# KiCad board demomatrix.kicad_pcb (continued)
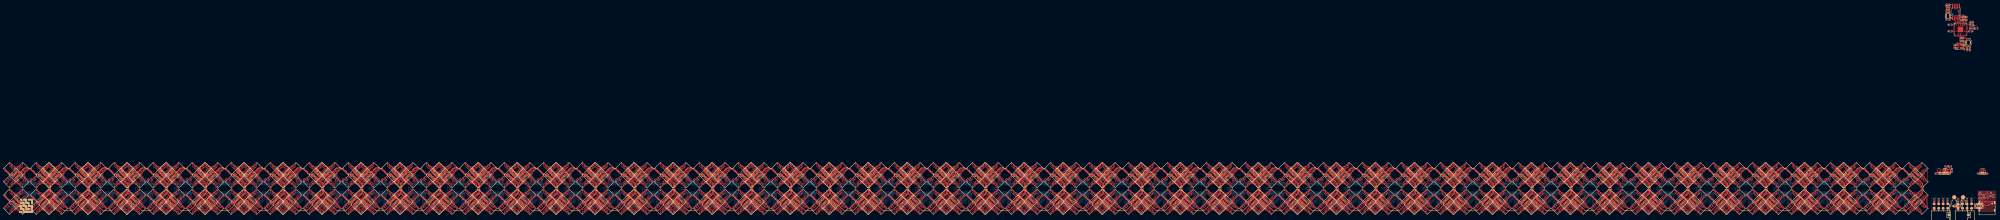
[diagram p0: board, top side]
## Nets (continued)
rgbs[3]-anodes-anode-264: LED395.3 LED396.4
rgbs[3]-anodes-anode-265: LED395.1 LED396.2
rgbs[3]-anodes-anode-266: LED395.5 LED396.6
rgbs[3]-anodes-anode-267: LED395.7 LED396.8
rgbs[3]-anodes-anode-268: LED399.3 LED400.4
rgbs[3]-anodes-anode-269: LED399.1 LED400.2
rgbs[3]-anodes-anode-270: LED399.5 LED400.6
rgbs[3]-anodes-anode-271: LED399.7 LED400.8
rgbs[3]-anodes-anode-272: LED403.3 LED404.4
rgbs[3]-anodes-anode-273: LED403.1 LED404.2
rgbs[3]-anodes-anode-274: LED403.5 LED404.6
rgbs[3]-anodes-anode-275: LED403.7 LED404.8
rgbs[3]-anodes-anode-276: LED407.3 LED408.4
rgbs[3]-anodes-anode-277: LED407.1 LED408.2
rgbs[3]-anodes-anode-278: LED407.5 LED408.6
rgbs[3]-anodes-anode-279: LED407.7 LED408.8
rgbs[3]-anodes-anode-280: LED411.3 LED412.4
rgbs[3]-anodes-anode-281: LED411.1 LED412.2
rgbs[3]-anodes-anode-282: LED411.5 LED412.6
rgbs[3]-anodes-anode-283: LED411.7 LED412.8
rgbs[3]-anodes-anode-284: LED415.3 LED416.4
rgbs[3]-anodes-anode-285: LED415.1 LED416.2
rgbs[3]-anodes-anode-286: LED415.5 LED416.6
rgbs[3]-anodes-anode-287: LED415.7 LED416.8
rgbs[3]-anodes-anode-288: LED419.3 LED420.4
rgbs[3]-anodes-anode-289: LED419.1 LED420.2
rgbs[3]-anodes-anode-290: LED419.5 LED420.6
rgbs[3]-anodes-anode-291: LED419.7 LED420.8
rgbs[3]-anodes-anode-292: LED423.3 LED424.4
rgbs[3]-anodes-anode-293: LED423.1 LED424.2
rgbs[3]-anodes-anode-294: LED423.5 LED424.6
rgbs[3]-anodes-anode-295: LED423.7 LED424.8
rgbs[3]-anodes-anode-296: LED427.3 LED428.4
rgbs[3]-anodes-anode-297: LED427.1 LED428.2
rgbs[3]-anodes-anode-298: LED427.5 LED428.6
rgbs[3]-anodes-anode-299: LED427.7 LED428.8
rgbs[3]-anodes-anode-300: LED431.3 LED432.4
rgbs[3]-anodes-anode-301: LED431.1 LED432.2
rgbs[3]-anodes-anode-302: LED431.5 LED432.6
rgbs[3]-anodes-anode-303: LED431.7 LED432.8
rgbs[3]-anodes-anode-304: LED435.3 LED436.4
rgbs[3]-anodes-anode-305: LED435.1 LED436.2
rgbs[3]-anodes-anode-306: LED435.5 LED436.6
rgbs[3]-anodes-anode-307: LED435.7 LED436.8
rgbs[3]-anodes-anode-308: LED439.3 LED440.4
rgbs[3]-anodes-anode-309: LED439.1 LED440.2
rgbs[3]-anodes-anode-310: LED439.5 LED440.6
rgbs[3]-anodes-anode-311: LED439.7 LED440.8
rgbs[3]-anodes-anode-312: LED443.3 LED444.4
rgbs[3]-anodes-anode-313: LED443.1 LED444.2
rgbs[3]-anodes-anode-314: LED443.5 LED444.6
rgbs[3]-anodes-anode-315: LED443.7 LED444.8
rgbs[3]-anodes-anode-316: LED447.3 LED448.4
rgbs[3]-anodes-anode-317: LED447.1 LED448.2
rgbs[3]-anodes-anode-318: LED447.5 LED448.6
rgbs[3]-anodes-anode-319: LED447.7 LED448.8
rgbs[3]-anodes-anode-320: LED451.3 LED452.4
rgbs[3]-anodes-anode-321: LED451.1 LED452.2
rgbs[3]-anodes-anode-322: LED451.5 LED452.6
rgbs[3]-anodes-anode-323: LED451.7 LED452.8
rgbs[3]-anodes-anode-324: LED455.3 LED456.4
rgbs[3]-anodes-anode-325: LED455.1 LED456.2
rgbs[3]-anodes-anode-326: LED455.5 LED456.6
rgbs[3]-anodes-anode-327: LED455.7 LED456.8
rgbs[3]-anodes-anode-328: LED459.3 LED460.4
rgbs[3]-anodes-anode-329: LED459.1 LED460.2
rgbs[3]-anodes-anode-330: LED459.5 LED460.6
rgbs[3]-anodes-anode-331: LED459.7 LED460.8
rgbs[3]-anodes-anode-332: LED463.3 LED464.4
rgbs[3]-anodes-anode-333: LED463.1 LED464.2
rgbs[3]-anodes-anode-334: LED463.5 LED464.6
rgbs[3]-anodes-anode-335: LED463.7 LED464.8
rgbs[3]-anodes-anode-336: LED467.3 LED468.4
rgbs[3]-anodes-anode-337: LED467.1 LED468.2
rgbs[3]-anodes-anode-338: LED467.5 LED468.6
rgbs[3]-anodes-anode-339: LED467.7 LED468.8
rgbs[3]-anodes-anode-340: LED471.3 LED472.4
rgbs[3]-anodes-anode-341: LED471.1 LED472.2
rgbs[3]-anodes-anode-342: LED471.5 LED472.6
rgbs[3]-anodes-anode-343: LED471.7 LED472.8
rgbs[3]-anodes-anode-344: LED475.3 LED476.4
rgbs[3]-anodes-anode-345: LED475.1 LED476.2
rgbs[3]-anodes-anode-346: LED475.5 LED476.6
rgbs[3]-anodes-anode-347: LED475.7 LED476.8
rgbs[3]-anodes-anode-348: LED479.3 LED480.4
rgbs[3]-anodes-anode-349: LED479.1 LED480.2
rgbs[3]-anodes-anode-350: LED479.5 LED480.6
rgbs[3]-anodes-anode-351: LED479.7 LED480.8
rgbs[3]-anodes-anode-352: LED35.3 LED36.4
rgbs[3]-anodes-anode-353: LED35.1 LED36.2
rgbs[3]-anodes-anode-354: LED35.5 LED36.6
rgbs[3]-anodes-anode-355: LED35.7 LED36.8
rgbs[3]-anodes-anode-356: LED39.3 LED40.4
rgbs[3]-anodes-anode-357: LED39.1 LED40.2
rgbs[3]-anodes-anode-358: LED39.5 LED40.6
rgbs[3]-anodes-anode-359: LED39.7 LED40.8
rgbs[3]-anodes-anode-360: LED43.3 LED44.4
rgbs[3]-anodes-anode-361: LED43.1 LED44.2
rgbs[3]-anodes-anode-362: LED43.5 LED44.6
rgbs[3]-anodes-anode-363: LED43.7 LED44.8
rgbs[3]-anodes-anode-364: LED47.3 LED48.4
rgbs[3]-anodes-anode-365: LED47.1 LED48.2
rgbs[3]-anodes-anode-366: LED47.5 LED48.6
rgbs[3]-anodes-anode-367: LED47.7 LED48.8
rgbs[3]-anodes-anode-368: LED483.3 LED484.4
rgbs[3]-anodes-anode-369: LED483.1 LED484.2
rgbs[3]-anodes-anode-370: LED483.5 LED484.6
rgbs[3]-anodes-anode-371: LED483.7 LED484.8
rgbs[3]-anodes-anode-372: LED487.3 LED488.4
rgbs[3]-anodes-anode-373: LED487.1 LED488.2
rgbs[3]-anodes-anode-374: LED487.5 LED488.6
rgbs[3]-anodes-anode-375: LED487.7 LED488.8
rgbs[3]-anodes-anode-376: LED491.3 LED492.4
rgbs[3]-anodes-anode-377: LED491.1 LED492.2
rgbs[3]-anodes-anode-378: LED491.5 LED492.6
rgbs[3]-anodes-anode-379: LED491.7 LED492.8
rgbs[3]-anodes-anode-380: LED495.3 LED496.4
rgbs[3]-anodes-anode-381: LED495.1 LED496.2
rgbs[3]-anodes-anode-382: LED495.5 LED496.6
rgbs[3]-anodes-anode-383: LED495.7 LED496.8
rgbs[3]-anodes-anode-384: LED499.3 LED500.4
rgbs[3]-anodes-anode-385: LED499.1 LED500.2
rgbs[3]-anodes-anode-386: LED499.5 LED500.6
rgbs[3]-anodes-anode-387: LED499.7 LED500.8
rgbs[3]-anodes-anode-388: LED503.3 LED504.4
rgbs[3]-anodes-anode-389: LED503.1 LED504.2
rgbs[3]-anodes-anode-390: LED503.5 LED504.6
rgbs[3]-anodes-anode-391: LED503.7 LED504.8
rgbs[3]-anodes-anode-392: LED507.3 LED508.4
rgbs[3]-anodes-anode-393: LED507.1 LED508.2
rgbs[3]-anodes-anode-394: LED507.5 LED508.6
rgbs[3]-anodes-anode-395: LED507.7 LED508.8
rgbs[3]-anodes-anode-396: LED511.3 LED512.4
rgbs[3]-anodes-anode-397: LED511.1 LED512.2
rgbs[3]-anodes-anode-398: LED511.5 LED512.6
rgbs[3]-anodes-anode-399: LED511.7 LED512.8
rgbs[3]-anodes-anode-400: LED515.3 LED516.4
rgbs[3]-anodes-anode-401: LED515.1 LED516.2
rgbs[3]-anodes-anode-402: LED515.5 LED516.6
rgbs[3]-anodes-anode-403: LED515.7 LED516.8
rgbs[3]-anodes-anode-404: LED519.3 LED520.4
rgbs[3]-anodes-anode-405: LED519.1 LED520.2
rgbs[3]-anodes-anode-406: LED519.5 LED520.6
rgbs[3]-anodes-anode-407: LED519.7 LED520.8
rgbs[3]-anodes-anode-408: LED523.3 LED524.4
rgbs[3]-anodes-anode-409: LED523.1 LED524.2
rgbs[3]-anodes-anode-410: LED523.5 LED524.6
rgbs[3]-anodes-anode-411: LED523.7 LED524.8
rgbs[3]-anodes-anode-412: LED527.3 LED528.4
rgbs[3]-anodes-anode-413: LED527.1 LED528.2
rgbs[3]-anodes-anode-414: LED527.5 LED528.6
rgbs[3]-anodes-anode-415: LED527.7 LED528.8
rgbs[3]-anodes-anode-416: LED531.3 LED532.4
rgbs[3]-anodes-anode-417: LED531.1 LED532.2
rgbs[3]-anodes-anode-418: LED531.5 LED532.6
rgbs[3]-anodes-anode-419: LED531.7 LED532.8
rgbs[3]-anodes-anode-420: LED535.3 LED536.4
rgbs[3]-anodes-anode-421: LED535.1 LED536.2
rgbs[3]-anodes-anode-422: LED535.5 LED536.6
rgbs[3]-anodes-anode-423: LED535.7 LED536.8
rgbs[3]-anodes-anode-424: LED539.3 LED540.4
rgbs[3]-anodes-anode-425: LED539.1 LED540.2
rgbs[3]-anodes-anode-426: LED539.5 LED540.6
rgbs[3]-anodes-anode-427: LED539.7 LED540.8
rgbs[3]-anodes-anode-428: LED543.3 LED544.4
rgbs[3]-anodes-anode-429: LED543.1 LED544.2
rgbs[3]-anodes-anode-430: LED543.5 LED544.6
rgbs[3]-anodes-anode-431: LED543.7 LED544.8
rgbs[3]-anodes-anode-432: LED547.3 LED548.4
rgbs[3]-anodes-anode-433: LED547.1 LED548.2
rgbs[3]-anodes-anode-434: LED547.5 LED548.6
rgbs[3]-anodes-anode-435: LED547.7 LED548.8
rgbs[3]-anodes-anode-436: LED551.3 LED552.4
rgbs[3]-anodes-anode-437: LED551.1 LED552.2
rgbs[3]-anodes-anode-438: LED551.5 LED552.6
rgbs[3]-anodes-anode-439: LED551.7 LED552.8
rgbs[3]-anodes-anode-440: LED555.3 LED556.4
rgbs[3]-anodes-anode-441: LED555.1 LED556.2
rgbs[3]-anodes-anode-442: LED555.5 LED556.6
rgbs[3]-anodes-anode-443: LED555.7 LED556.8
rgbs[3]-anodes-anode-444: LED559.3 LED560.4
rgbs[3]-anodes-anode-445: LED559.1 LED560.2
rgbs[3]-anodes-anode-446: LED559.5 LED560.6
rgbs[3]-anodes-anode-447: LED559.7 LED560.8
rgbs[3]-anodes-anode-448: LED563.3 LED564.4
rgbs[3]-anodes-anode-449: LED563.1 LED564.2
rgbs[3]-anodes-anode-450: LED563.5 LED564.6
rgbs[3]-anodes-anode-451: LED563.7 LED564.8
rgbs[3]-anodes-anode-452: LED567.3 LED568.4
rgbs[3]-anodes-anode-453: LED567.1 LED568.2
rgbs[3]-anodes-anode-454: LED567.5 LED568.6
rgbs[3]-anodes-anode-455: LED567.7 LED568.8
rgbs[3]-anodes-anode-456: LED571.3 LED572.4
rgbs[3]-anodes-anode-457: LED571.1 LED572.2
rgbs[3]-anodes-anode-458: LED571.5 LED572.6
rgbs[3]-anodes-anode-459: LED571.7 LED572.8
rgbs[3]-anodes-anode-460: LED575.3 LED576.4
rgbs[3]-anodes-anode-461: LED575.1 LED576.2
rgbs[3]-anodes-anode-462: LED575.5 LED576.6
rgbs[3]-anodes-anode-463: LED575.7 LED576.8
rgbs[3]-anodes-anode-464: LED579.3 LED580.4
rgbs[3]-anodes-anode-465: LED579.1 LED580.2
rgbs[3]-anodes-anode-466: LED579.5 LED580.6
rgbs[3]-anodes-anode-467: LED579.7 LED580.8
rgbs[3]-anodes-anode-468: LED583.3 LED584.4
rgbs[3]-anodes-anode-469: LED583.1 LED584.2
rgbs[3]-anodes-anode-470: LED583.5 LED584.6
rgbs[3]-anodes-anode-471: LED583.7 LED584.8
rgbs[3]-anodes-anode-472: LED587.3 LED588.4
rgbs[3]-anodes-anode-473: LED587.1 LED588.2
rgbs[3]-anodes-anode-474: LED587.5 LED588.6
rgbs[3]-anodes-anode-475: LED587.7 LED588.8
rgbs[3]-anodes-anode-476: LED591.3 LED592.4
rgbs[3]-anodes-anode-477: LED591.1 LED592.2
rgbs[3]-anodes-anode-478: LED591.5 LED592.6
rgbs[3]-anodes-anode-479: LED591.7 LED592.8
rgbs[3]-anodes-anode-480: LED595.3 LED596.4
rgbs[3]-anodes-anode-481: LED595.1 LED596.2
rgbs[3]-anodes-anode-482: LED595.5 LED596.6
rgbs[3]-anodes-anode-483: LED595.7 LED596.8
rgbs[3]-anodes-anode-484: LED599.3 LED600.4
rgbs[3]-anodes-anode-485: LED599.1 LED600.2
rgbs[3]-anodes-anode-486: LED599.5 LED600.6
rgbs[3]-anodes-anode-487: LED599.7 LED600.8
rgbs[3]-anodes-anode-488: LED603.3 LED604.4
rgbs[3]-anodes-anode-489: LED603.1 LED604.2
rgbs[3]-anodes-anode-490: LED603.5 LED604.6
rgbs[3]-anodes-anode-491: LED603.7 LED604.8
rgbs[3]-anodes-anode-492: LED607.3 LED608.4
rgbs[3]-anodes-anode-493: LED607.1 LED608.2
rgbs[3]-anodes-anode-494: LED607.5 LED608.6
rgbs[3]-anodes-anode-495: LED607.7 LED608.8
rgbs[3]-anodes-anode-496: LED611.3 LED612.4
rgbs[3]-anodes-anode-497: LED611.1 LED612.2
rgbs[3]-anodes-anode-498: LED611.5 LED612.6
rgbs[3]-anodes-anode-499: LED611.7 LED612.8
rgbs[3]-anodes-anode-500: LED615.3 LED616.4
rgbs[3]-anodes-anode-501: LED615.1 LED616.2
rgbs[3]-anodes-anode-502: LED615.5 LED616.6
rgbs[3]-anodes-anode-503: LED615.7 LED616.8
rgbs[3]-anodes-anode-504: LED619.3 LED620.4
rgbs[3]-anodes-anode-505: LED619.1 LED620.2
rgbs[3]-anodes-anode-506: LED619.5 LED620.6
rgbs[3]-anodes-anode-507: LED619.7 LED620.8
rgbs[3]-anodes-anode-508: LED623.3 LED624.4
rgbs[3]-anodes-anode-509: LED623.1 LED624.2
rgbs[3]-anodes-anode-510: LED623.5 LED624.6
rgbs[3]-anodes-anode-511: LED623.7 LED624.8
rgbs[3]-anodes-anode-512: LED627.3 LED628.4
rgbs[3]-anodes-anode-513: LED627.1 LED628.2
rgbs[3]-anodes-anode-514: LED627.5 LED628.6
rgbs[3]-anodes-anode-515: LED627.7 LED628.8
rgbs[3]-anodes-anode-516: LED631.3 LED632.4
rgbs[3]-anodes-anode-517: LED631.1 LED632.2
rgbs[3]-anodes-anode-518: LED631.5 LED632.6
rgbs[3]-anodes-anode-519: LED631.7 LED632.8
rgbs[3]-anodes-anode-520: LED635.3 LED636.4
rgbs[3]-anodes-anode-521: LED635.1 LED636.2
rgbs[3]-anodes-anode-522: LED635.5 LED636.6
rgbs[3]-anodes-anode-523: LED635.7 LED636.8
rgbs[3]-anodes-anode-524: LED639.3 LED640.4
rgbs[3]-anodes-anode-525: LED639.1 LED640.2
rgbs[3]-anodes-anode-526: LED639.5 LED640.6
rgbs[3]-anodes-anode-527: LED639.7 LED640.8
rgbs[3]-anodes-anode-528: LED51.3 LED52.4
rgbs[3]-anodes-anode-529: LED51.1 LED52.2
rgbs[3]-anodes-anode-530: LED51.5 LED52.6
rgbs[3]-anodes-anode-531: LED51.7 LED52.8
rgbs[3]-anodes-anode-532: LED55.3 LED56.4
rgbs[3]-anodes-anode-533: LED55.1 LED56.2
rgbs[3]-anodes-anode-534: LED55.5 LED56.6
rgbs[3]-anodes-anode-535: LED55.7 LED56.8
rgbs[3]-anodes-anode-536: LED59.3 LED60.4
rgbs[3]-anodes-anode-537: LED59.1 LED60.2
rgbs[3]-anodes-anode-538: LED59.5 LED60.6
rgbs[3]-anodes-anode-539: LED59.7 LED60.8
rgbs[3]-anodes-anode-540: LED63.3 LED64.4
rgbs[3]-anodes-anode-541: LED63.1 LED64.2
rgbs[3]-anodes-anode-542: LED63.5 LED64.6
rgbs[3]-anodes-anode-543: LED63.7 LED64.8
rgbs[3]-anodes-anode-544: LED643.3 LED644.4
rgbs[3]-anodes-anode-545: LED643.1 LED644.2
rgbs[3]-anodes-anode-546: LED643.5 LED644.6
rgbs[3]-anodes-anode-547: LED643.7 LED644.8
rgbs[3]-anodes-anode-548: LED647.3 LED648.4
rgbs[3]-anodes-anode-549: LED647.1 LED648.2
rgbs[3]-anodes-anode-550: LED647.5 LED648.6
rgbs[3]-anodes-anode-551: LED647.7 LED648.8
rgbs[3]-anodes-anode-552: LED651.3 LED652.4
rgbs[3]-anodes-anode-553: LED651.1 LED652.2
rgbs[3]-anodes-anode-554: LED651.5 LED652.6
rgbs[3]-anodes-anode-555: LED651.7 LED652.8
rgbs[3]-anodes-anode-556: LED655.3 LED656.4
rgbs[3]-anodes-anode-557: LED655.1 LED656.2
rgbs[3]-anodes-anode-558: LED655.5 LED656.6
rgbs[3]-anodes-anode-559: LED655.7 LED656.8
rgbs[3]-anodes-anode-560: LED659.3 LED660.4
rgbs[3]-anodes-anode-561: LED659.1 LED660.2
rgbs[3]-anodes-anode-562: LED659.5 LED660.6
rgbs[3]-anodes-anode-563: LED659.7 LED660.8
rgbs[3]-anodes-anode-564: LED663.3 LED664.4
rgbs[3]-anodes-anode-565: LED663.1 LED664.2
rgbs[3]-anodes-anode-566: LED663.5 LED664.6
rgbs[3]-anodes-anode-567: LED663.7 LED664.8
rgbs[3]-anodes-anode-568: LED667.3 LED668.4
rgbs[3]-anodes-anode-569: LED667.1 LED668.2
rgbs[3]-anodes-anode-570: LED667.5 LED668.6
rgbs[3]-anodes-anode-571: LED667.7 LED668.8
rgbs[3]-anodes-anode-572: LED671.3 LED672.4
rgbs[3]-anodes-anode-573: LED671.1 LED672.2
rgbs[3]-anodes-anode-574: LED671.5 LED672.6
rgbs[3]-anodes-anode-575: LED671.7 LED672.8
rgbs[3]-anodes-anode-576: LED675.3 LED676.4
rgbs[3]-anodes-anode-577: LED675.1 LED676.2
rgbs[3]-anodes-anode-578: LED675.5 LED676.6
rgbs[3]-anodes-anode-579: LED675.7 LED676.8
rgbs[3]-anodes-anode-580: LED679.3 LED680.4
rgbs[3]-anodes-anode-581: LED679.1 LED680.2
rgbs[3]-anodes-anode-582: LED679.5 LED680.6
rgbs[3]-anodes-anode-583: LED679.7 LED680.8
rgbs[3]-anodes-anode-584: LED683.3 LED684.4
rgbs[3]-anodes-anode-585: LED683.1 LED684.2
rgbs[3]-anodes-anode-586: LED683.5 LED684.6
rgbs[3]-anodes-anode-587: LED683.7 LED684.8
rgbs[3]-anodes-anode-588: LED687.3 LED688.4
rgbs[3]-anodes-anode-589: LED687.1 LED688.2
rgbs[3]-anodes-anode-590: LED687.5 LED688.6
rgbs[3]-anodes-anode-591: LED687.7 LED688.8
rgbs[3]-anodes-anode-592: LED691.3 LED692.4
rgbs[3]-anodes-anode-593: LED691.1 LED692.2
rgbs[3]-anodes-anode-594: LED691.5 LED692.6
rgbs[3]-anodes-anode-595: LED691.7 LED692.8
rgbs[3]-anodes-anode-596: LED695.3 LED696.4
rgbs[3]-anodes-anode-597: LED695.1 LED696.2
rgbs[3]-anodes-anode-598: LED695.5 LED696.6
rgbs[3]-anodes-anode-599: LED695.7 LED696.8
rgbs[3]-anodes-anode-600: LED699.3 LED700.4
rgbs[3]-anodes-anode-601: LED699.1 LED700.2
rgbs[3]-anodes-anode-602: LED699.5 LED700.6
rgbs[3]-anodes-anode-603: LED699.7 LED700.8
rgbs[3]-anodes-anode-604: LED703.3 LED704.4
rgbs[3]-anodes-anode-605: LED703.1 LED704.2
rgbs[3]-anodes-anode-606: LED703.5 LED704.6
rgbs[3]-anodes-anode-607: LED703.7 LED704.8
rgbs[3]-anodes-anode-608: LED707.3 LED708.4
rgbs[3]-anodes-anode-609: LED707.1 LED708.2
rgbs[3]-anodes-anode-610: LED707.5 LED708.6
rgbs[3]-anodes-anode-611: LED707.7 LED708.8
rgbs[3]-anodes-anode-612: LED711.3 LED712.4
rgbs[3]-anodes-anode-613: LED711.1 LED712.2
rgbs[3]-anodes-anode-614: LED711.5 LED712.6
rgbs[3]-anodes-anode-615: LED711.7 LED712.8
rgbs[3]-anodes-anode-616: LED715.3 LED716.4
rgbs[3]-anodes-anode-617: LED715.1 LED716.2
rgbs[3]-anodes-anode-618: LED715.5 LED716.6
rgbs[3]-anodes-anode-619: LED715.7 LED716.8
rgbs[3]-anodes-anode-620: LED719.3 LED720.4
rgbs[3]-anodes-anode-621: LED719.1 LED720.2
rgbs[3]-anodes-anode-622: LED719.5 LED720.6
rgbs[3]-anodes-anode-623: LED719.7 LED720.8
rgbs[3]-anodes-anode-624: LED723.3 LED724.4
rgbs[3]-anodes-anode-625: LED723.1 LED724.2
rgbs[3]-anodes-anode-626: LED723.5 LED724.6
rgbs[3]-anodes-anode-627: LED723.7 LED724.8
rgbs[3]-anodes-anode-628: LED727.3 LED728.4
rgbs[3]-anodes-anode-629: LED727.1 LED728.2
rgbs[3]-anodes-anode-630: LED727.5 LED728.6
rgbs[3]-anodes-anode-631: LED727.7 LED728.8
rgbs[3]-anodes-anode-632: LED731.3 LED732.4
rgbs[3]-anodes-anode-633: LED731.1 LED732.2
rgbs[3]-anodes-anode-634: LED731.5 LED732.6
rgbs[3]-anodes-anode-635: LED731.7 LED732.8
rgbs[3]-anodes-anode-636: LED735.3 LED736.4
rgbs[3]-anodes-anode-637: LED735.1 LED736.2
rgbs[3]-anodes-anode-638: LED735.5 LED736.6
rgbs[3]-anodes-anode-639: LED735.7 LED736.8
rgbs[3]-anodes-anode-640: LED739.3 LED740.4
rgbs[3]-anodes-anode-641: LED739.1 LED740.2
rgbs[3]-anodes-anode-642: LED739.5 LED740.6
rgbs[3]-anodes-anode-643: LED739.7 LED740.8
rgbs[3]-anodes-anode-644: LED743.3 LED744.4
rgbs[3]-anodes-anode-645: LED743.1 LED744.2
rgbs[3]-anodes-anode-646: LED743.5 LED744.6
rgbs[3]-anodes-anode-647: LED743.7 LED744.8
rgbs[3]-anodes-anode-648: LED747.3 LED748.4
rgbs[3]-anodes-anode-649: LED747.1 LED748.2
rgbs[3]-anodes-anode-650: LED747.5 LED748.6
rgbs[3]-anodes-anode-651: LED747.7 LED748.8
rgbs[3]-anodes-anode-652: LED751.3 LED752.4
rgbs[3]-anodes-anode-653: LED751.1 LED752.2
rgbs[3]-anodes-anode-654: LED751.5 LED752.6
rgbs[3]-anodes-anode-655: LED751.7 LED752.8
rgbs[3]-anodes-anode-656: LED755.3 LED756.4
rgbs[3]-anodes-anode-657: LED755.1 LED756.2
rgbs[3]-anodes-anode-658: LED755.5 LED756.6
rgbs[3]-anodes-anode-659: LED755.7 LED756.8
rgbs[3]-anodes-anode-660: LED759.3 LED760.4
rgbs[3]-anodes-anode-661: LED759.1 LED760.2
rgbs[3]-anodes-anode-662: LED759.5 LED760.6
rgbs[3]-anodes-anode-663: LED759.7 LED760.8
rgbs[3]-anodes-anode-664: LED763.3 LED764.4
rgbs[3]-anodes-anode-665: LED763.1 LED764.2
rgbs[3]-anodes-anode-666: LED763.5 LED764.6
rgbs[3]-anodes-anode-667: LED763.7 LED764.8
rgbs[3]-anodes-anode-668: LED767.3 LED768.4
rgbs[3]-anodes-anode-669: LED767.1 LED768.2
rgbs[3]-anodes-anode-670: LED767.5 LED768.6
rgbs[3]-anodes-anode-671: LED767.7 LED768.8
rgbs[3]-anodes-anode-672: LED771.3 LED772.4
rgbs[3]-anodes-anode-673: LED771.1 LED772.2
rgbs[3]-anodes-anode-674: LED771.5 LED772.6
rgbs[3]-anodes-anode-675: LED771.7 LED772.8
rgbs[3]-anodes-anode-676: LED775.3 LED776.4
rgbs[3]-anodes-anode-677: LED775.1 LED776.2
rgbs[3]-anodes-anode-678: LED775.5 LED776.6
rgbs[3]-anodes-anode-679: LED775.7 LED776.8
rgbs[3]-anodes-anode-680: LED779.3 LED780.4
rgbs[3]-anodes-anode-681: LED779.1 LED780.2
rgbs[3]-anodes-anode-682: LED779.5 LED780.6
rgbs[3]-anodes-anode-683: LED779.7 LED780.8
rgbs[3]-anodes-anode-684: LED783.3 LED784.4
rgbs[3]-anodes-anode-685: LED783.1 LED784.2
rgbs[3]-anodes-anode-686: LED783.5 LED784.6
rgbs[3]-anodes-anode-687: LED783.7 LED784.8
rgbs[3]-anodes-anode-688: LED67.3 LED68.4
rgbs[3]-anodes-anode-689: LED67.1 LED68.2
rgbs[3]-anodes-anode-690: LED67.5 LED68.6
rgbs[3]-anodes-anode-691: LED67.7 LED68.8
rgbs[3]-anodes-anode-692: LED71.3 LED72.4
rgbs[3]-anodes-anode-693: LED71.1 LED72.2
rgbs[3]-anodes-anode-694: LED71.5 LED72.6
rgbs[3]-anodes-anode-695: LED71.7 LED72.8
rgbs[3]-anodes-anode-696: LED75.3 LED76.4
rgbs[3]-anodes-anode-697: LED75.1 LED76.2
rgbs[3]-anodes-anode-698: LED75.5 LED76.6
rgbs[3]-anodes-anode-699: LED75.7 LED76.8
rgbs[3]-anodes-anode-700: LED79.3 LED80.4
rgbs[3]-anodes-anode-701: LED79.1 LED80.2
rgbs[3]-anodes-anode-702: LED79.5 LED80.6
rgbs[3]-anodes-anode-703: LED79.7 LED80.8
rgbs[3]-anodes-anode-704: LED83.3 LED84.4
rgbs[3]-anodes-anode-705: LED83.1 LED84.2
rgbs[3]-anodes-anode-706: LED83.5 LED84.6
rgbs[3]-anodes-anode-707: LED83.7 LED84.8
rgbs[3]-anodes-anode-708: LED87.3 LED88.4
rgbs[3]-anodes-anode-709: LED87.1 LED88.2
rgbs[3]-anodes-anode-710: LED87.5 LED88.6
rgbs[3]-anodes-anode-711: LED87.7 LED88.8
rgbs[3]-anodes-anode-712: LED91.3 LED92.4
rgbs[3]-anodes-anode-713: LED91.1 LED92.2
rgbs[3]-anodes-anode-714: LED91.5 LED92.6
rgbs[3]-anodes-anode-715: LED91.7 LED92.8
rgbs[3]-anodes-anode-716: LED95.3 LED96.4
rgbs[3]-anodes-anode-717: LED95.1 LED96.2
rgbs[3]-anodes-anode-718: LED95.5 LED96.6
rgbs[3]-anodes-anode-719: LED95.7 LED96.8
rgbs[3]-anodes-anode-720: LED99.3 LED100.4
rgbs[3]-anodes-anode-721: LED99.1 LED100.2
rgbs[3]-anodes-anode-722: LED99.5 LED100.6
rgbs[3]-anodes-anode-723: LED99.7 LED100.8
rgbs[3]-anodes-anode-724: LED103.3 LED104.4
rgbs[3]-anodes-anode-725: LED103.1 LED104.2
rgbs[3]-anodes-anode-726: LED103.5 LED104.6
rgbs[3]-anodes-anode-727: LED103.7 LED104.8
rgbs[3]-anodes-anode-728: LED107.3 LED108.4
rgbs[3]-anodes-anode-729: LED107.1 LED108.2
rgbs[3]-anodes-anode-730: LED107.5 LED108.6
rgbs[3]-anodes-anode-731: LED107.7 LED108.8
rgbs[3]-anodes-anode-732: LED111.3 LED112.4
rgbs[3]-anodes-anode-733: LED111.1 LED112.2
rgbs[3]-anodes-anode-734: LED111.5 LED112.6
rgbs[3]-anodes-anode-735: LED111.7 LED112.8
rgbs[3]-anodes-anode-736: LED115.3 LED116.4
rgbs[3]-anodes-anode-737: LED115.1 LED116.2
rgbs[3]-anodes-anode-738: LED115.5 LED116.6
rgbs[3]-anodes-anode-739: LED115.7 LED116.8
rgbs[3]-anodes-anode-740: LED119.3 LED120.4
rgbs[3]-anodes-anode-741: LED119.1 LED120.2
rgbs[3]-anodes-anode-742: LED119.5 LED120.6
rgbs[3]-anodes-anode-743: LED119.7 LED120.8
rgbs[3]-anodes-anode-744: LED123.3 LED124.4
rgbs[3]-anodes-anode-745: LED123.1 LED124.2
rgbs[3]-anodes-anode-746: LED123.5 LED124.6
rgbs[3]-anodes-anode-747: LED123.7 LED124.8
rgbs[3]-anodes-anode-748: LED127.3 LED128.4
rgbs[3]-anodes-anode-749: LED127.1 LED128.2
rgbs[3]-anodes-anode-750: LED127.5 LED128.6
rgbs[3]-anodes-anode-751: LED127.7 LED128.8
rgbs[3]-anodes-anode-752: LED131.3 LED132.4
rgbs[3]-anodes-anode-753: LED131.1 LED132.2
rgbs[3]-anodes-anode-754: LED131.5 LED132.6
rgbs[3]-anodes-anode-755: LED131.7 LED132.8
rgbs[3]-anodes-anode-756: LED135.3 LED136.4
rgbs[3]-anodes-anode-757: LED135.1 LED136.2
rgbs[3]-anodes-anode-758: LED135.5 LED136.6
rgbs[3]-anodes-anode-759: LED135.7 LED136.8
rgbs[3]-anodes-anode-760: LED139.3 LED140.4
rgbs[3]-anodes-anode-761: LED139.1 LED140.2
rgbs[3]-anodes-anode-762: LED139.5 LED140.6
rgbs[3]-anodes-anode-763: LED139.7 LED140.8
rgbs[3]-anodes-anode-764: LED143.3 LED144.4
rgbs[3]-anodes-anode-765: LED143.1 LED144.2
rgbs[3]-anodes-anode-766: LED143.5 LED144.6
rgbs[3]-anodes-anode-767: LED143.7 LED144.8
rgbs[3]-anodes-anode-768: LED147.3 LED148.4
rgbs[3]-anodes-anode-769: LED147.1 LED148.2
rgbs[3]-anodes-anode-770: LED147.5 LED148.6
rgbs[3]-anodes-anode-771: LED147.7 LED148.8
rgbs[3]-anodes-anode-772: LED151.3 LED152.4
rgbs[3]-anodes-anode-773: LED151.1 LED152.2
rgbs[3]-anodes-anode-774: LED151.5 LED152.6
rgbs[3]-anodes-anode-775: LED151.7 LED152.8
rgbs[3]-anodes-anode-776: LED155.3 LED156.4
rgbs[3]-anodes-anode-777: LED155.1 LED156.2
rgbs[3]-anodes-anode-778: LED155.5 LED156.6
rgbs[3]-anodes-anode-779: LED155.7 LED156.8
rgbs[3]-anodes-anode-780: LED159.3 LED160.4
rgbs[3]-anodes-anode-781: LED159.1 LED160.2
rgbs[3]-anodes-anode-782: LED159.5 LED160.6
rgbs[3]-anodes-anode-783: LED159.7 LED160.8
rgbs[3]-cathodes-cathode-0: LED4.1 U1.5
rgbs[3]-cathodes-cathode-1: LED16.3 U1.15
rgbs[3]-cathodes-cathode-2: LED16.1 U1.16
rgbs[3]-cathodes-cathode-3: LED12.1 U1.17
rgbs[3]-cathodes-cathode-4: LED12.3 U1.18
rgbs[3]-cathodes-cathode-5: LED12.5 U1.19
rgbs[3]-cathodes-cathode-6: LED12.7 U1.20
rgbs[3]-cathodes-cathode-7: LED4.3 U1.6
rgbs[3]-cathodes-cathode-8: LED4.5 U1.7
rgbs[3]-cathodes-cathode-9: LED4.7 U1.8
rgbs[3]-cathodes-cathode-10: LED8.1 U1.9
rgbs[3]-cathodes-cathode-11: LED8.3 U1.10
rgbs[3]-cathodes-cathode-12: LED8.5 U1.11
rgbs[3]-cathodes-cathode-13: LED8.7 U1.12
rgbs[3]-cathodes-cathode-14: LED16.7 U1.13
rgbs[3]-cathodes-cathode-15: LED16.5 U1.14
rgbs[3]-cathodes-cathode-16: LED164.1 U51.5
rgbs[3]-cathodes-cathode-17: LED176.3 U51.15
rgbs[3]-cathodes-cathode-18: LED176.1 U51.16
rgbs[3]-cathodes-cathode-19: LED172.1 U51.17
rgbs[3]-cathodes-cathode-20: LED172.3 U51.18
rgbs[3]-cathodes-cathode-21: LED172.5 U51.19
rgbs[3]-cathodes-cathode-22: LED172.7 U51.20
rgbs[3]-cathodes-cathode-23: LED164.3 U51.6
rgbs[3]-cathodes-cathode-24: LED164.5 U51.7
rgbs[3]-cathodes-cathode-25: LED164.7 U51.8
rgbs[3]-cathodes-cathode-26: LED168.1 U51.9
rgbs[3]-cathodes-cathode-27: LED168.3 U51.10
rgbs[3]-cathodes-cathode-28: LED168.5 U51.11
rgbs[3]-cathodes-cathode-29: LED168.7 U51.12
rgbs[3]-cathodes-cathode-30: LED176.7 U51.13
rgbs[3]-cathodes-cathode-31: LED176.5 U51.14
rgbs[3]-cathodes-cathode-32: LED180.1 U56.5
rgbs[3]-cathodes-cathode-33: LED192.3 U56.15
rgbs[3]-cathodes-cathode-34: LED192.1 U56.16
rgbs[3]-cathodes-cathode-35: LED188.1 U56.17
rgbs[3]-cathodes-cathode-36: LED188.3 U56.18
rgbs[3]-cathodes-cathode-37: LED188.5 U56.19
rgbs[3]-cathodes-cathode-38: LED188.7 U56.20
rgbs[3]-cathodes-cathode-39: LED180.3 U56.6
rgbs[3]-cathodes-cathode-40: LED180.5 U56.7
rgbs[3]-cathodes-cathode-41: LED180.7 U56.8
rgbs[3]-cathodes-cathode-42: LED184.1 U56.9
rgbs[3]-cathodes-cathode-43: LED184.3 U56.10
rgbs[3]-cathodes-cathode-44: LED184.5 U56.11
rgbs[3]-cathodes-cathode-45: LED184.7 U56.12
rgbs[3]-cathodes-cathode-46: LED192.7 U56.13
rgbs[3]-cathodes-cathode-47: LED192.5 U56.14
rgbs[3]-cathodes-cathode-48: LED196.1 U61.5
rgbs[3]-cathodes-cathode-49: LED208.3 U61.15